# Altium PCB MiniPC.PcbDoc (part 11 of 22) (continued)
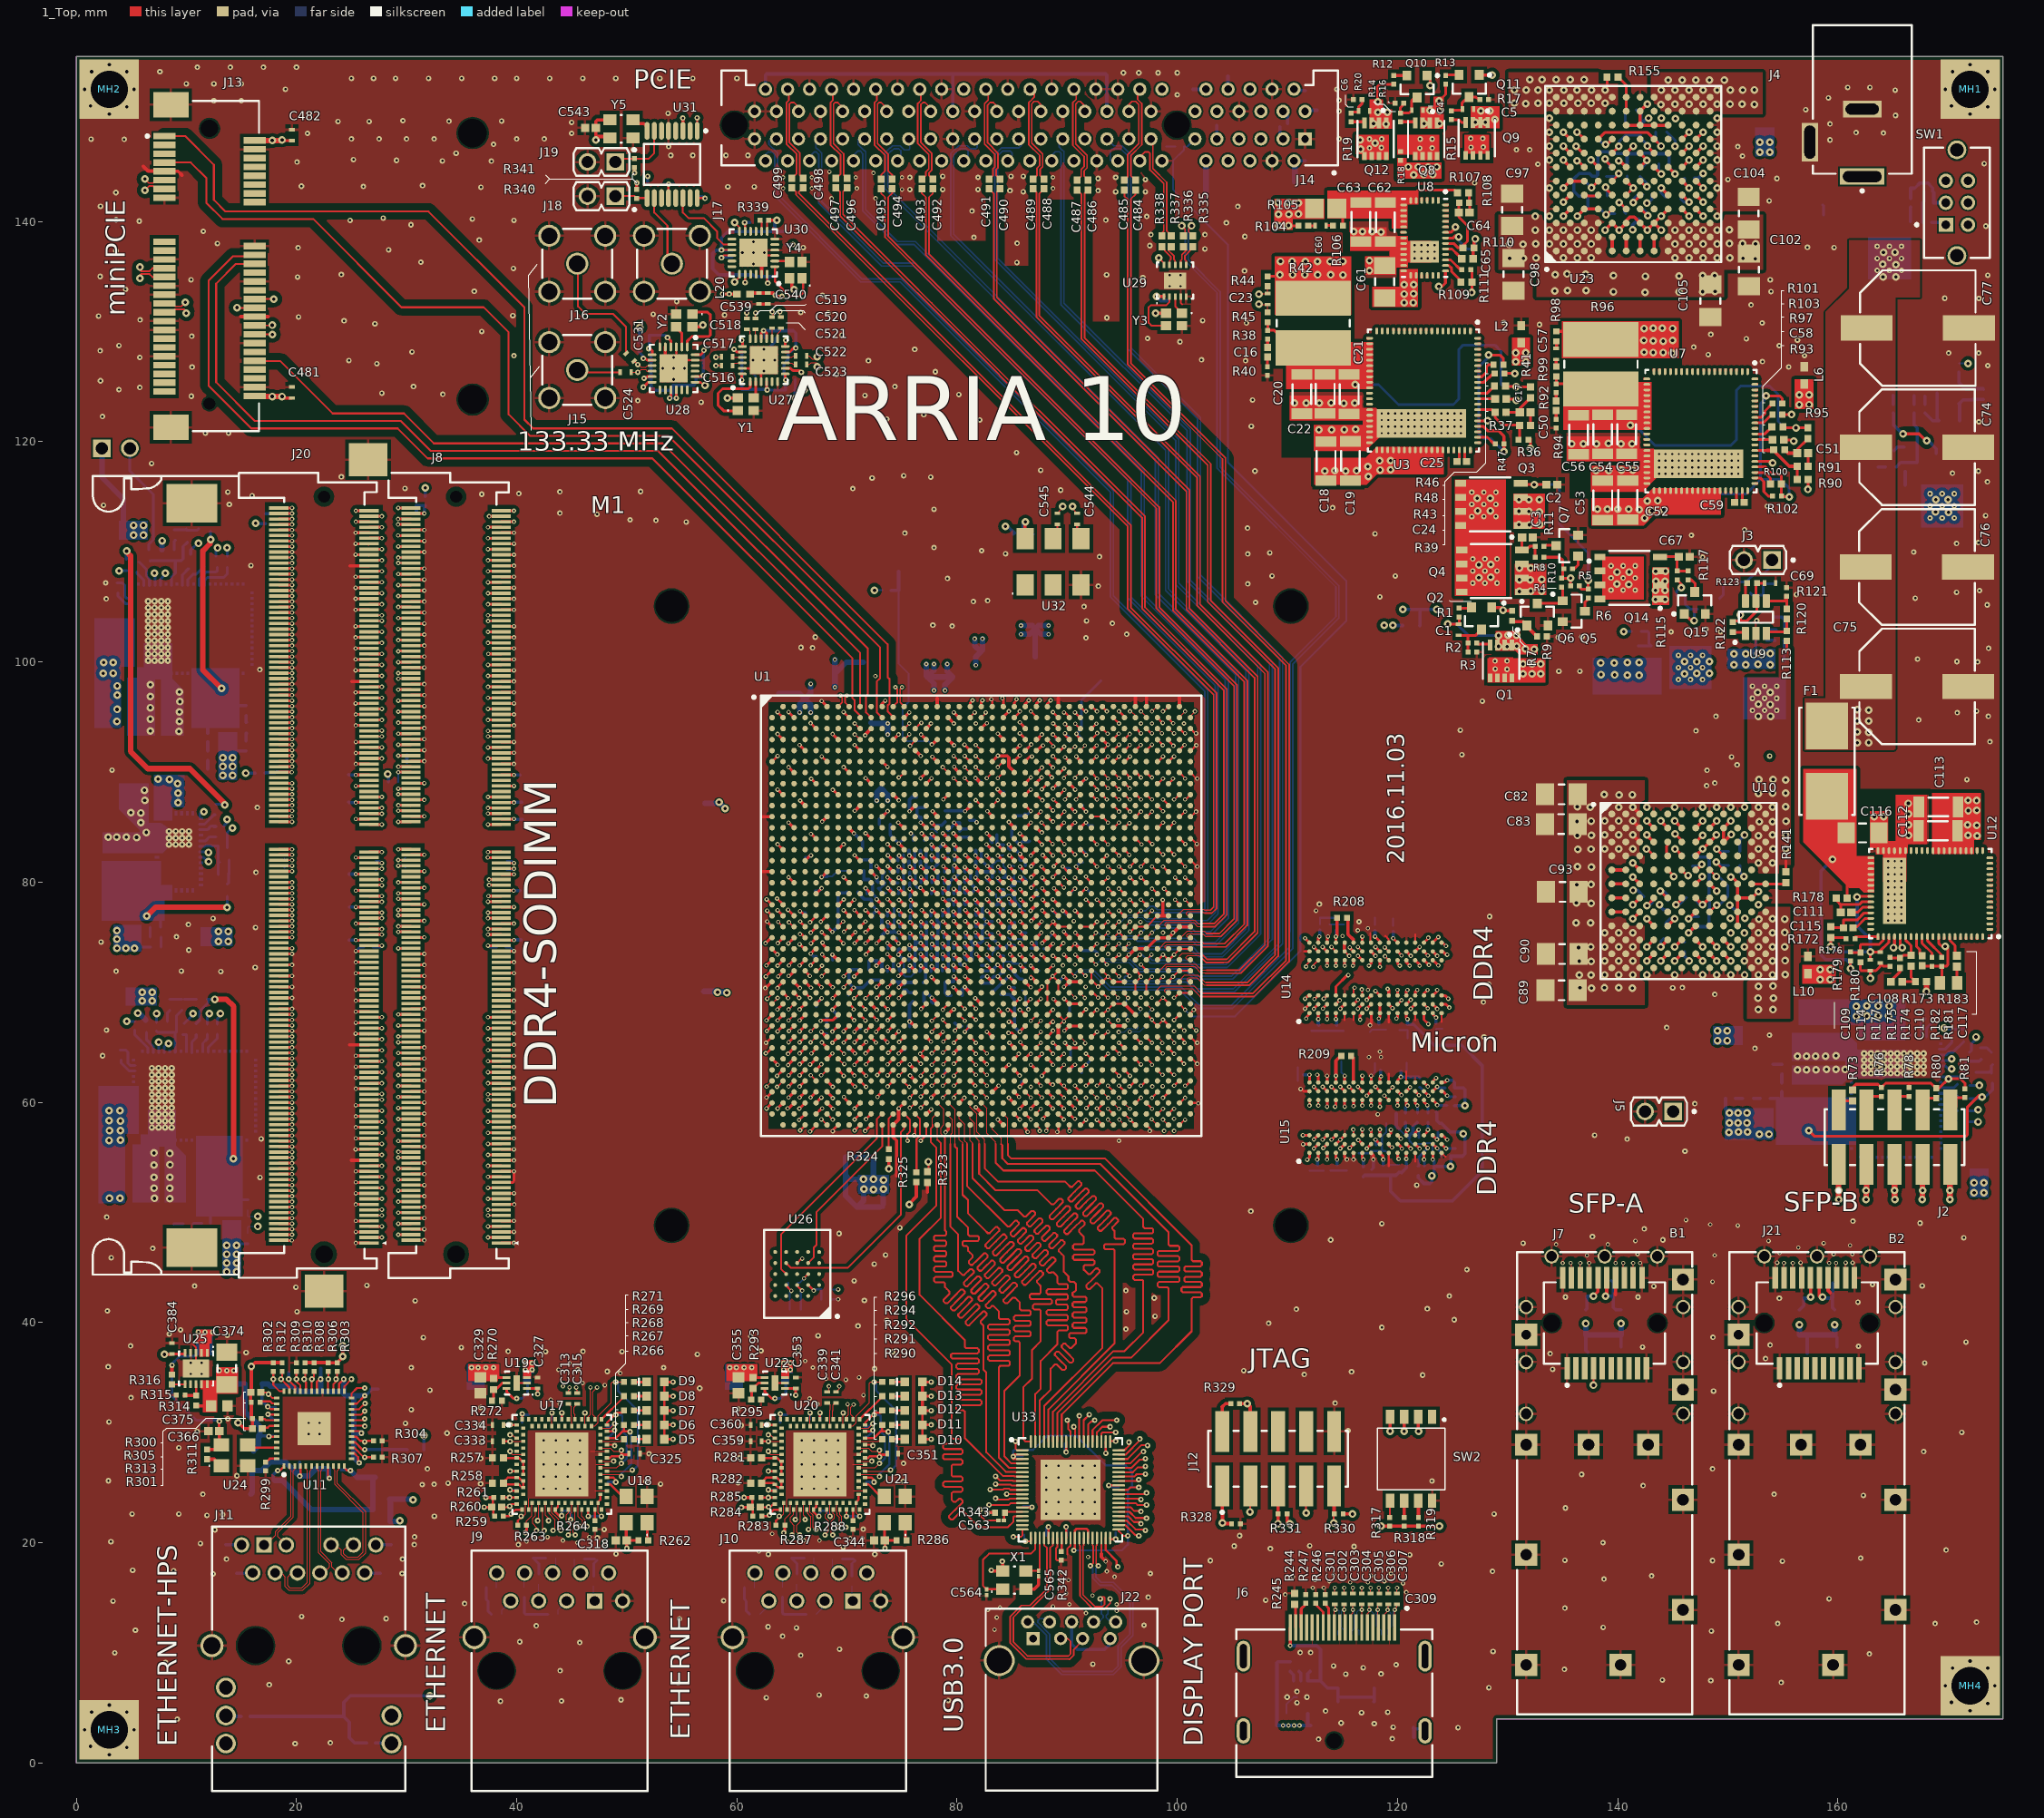
[diagram p0: 1_Top view]
## Nets (pads, with @x,y where several pads share a name; then routed paths per layer and width w, separated by ;. In a path a pad name is that pad's centre, name@x,y a point inside that pad or via, vN(x,y) a via of type N, cw(c..) or ccw(c..) an arc to the next point about the centre after c; other vN are vias at no path point) (continued)
  10_int9_(sign) w0.15: v1(19.602,60.475) 25.6,60.475 26.275,59.8 28.35,59.8 29.025,60.475 v1(29.25,60.475)
DDR4_SODIMM_DM3: J8.75 J20.75 U1.AJ9 | length 88.9
  1_Top w0.25: J20.75@26.6,65.725 v1(27.75,65.725) ; v1(37.398,65.725) J8.75@38.6,65.725 ; U1.AJ9@71.194,67.939 71.675,67.458 v1(71.675,67.425)
  5_int4_(sign) w0.15: v1(37.398,65.725) 37.825,65.725 38.8,64.75 40.55,64.75 42.8,62.5 42.8,62.05 43.813,61.037 44.25,61.037 44.4,61.187 44.4,61.337 44.55,61.487 44.85,61.487 45,61.337 45,59.811 45.15,59.661 45.45,59.661 45.6,59.811 45.6,61.337 45.75,61.487 46.05,61.487 46.2,61.337 46.2,59.811 46.35,59.661 46.65,59.661 46.8,59.811 46.8,61.337 46.95,61.487 47.25,61.487 47.4,61.337 47.4,59.811 47.55,59.661 47.85,59.661 48,59.811 48,61.337 48.15,61.487 48.45,61.487 48.6,61.337 48.6,59.811 48.75,59.661 49.05,59.661 49.2,59.811 49.2,61.337 49.35,61.487 49.65,61.487 49.8,61.337 49.8,59.811 49.95,59.661 50.25,59.661 50.4,59.811 50.4,61.337 50.55,61.487 50.85,61.487 51,61.337 51,59.811 51.15,59.661 51.45,59.661 51.6,59.811 51.6,61.337 51.75,61.487 52.05,61.487 52.2,61.337 52.2,59.811 52.35,59.661 52.65,59.661 52.8,59.811 52.8,61.337 52.95,61.487 53.25,61.487 53.4,61.337 53.4,59.811 53.55,59.661 53.85,59.661 54,59.811 54,61.337 54.15,61.487 54.45,61.487 54.6,61.337 54.6,59.811 54.75,59.661 55.05,59.661 55.2,59.811 55.2,60.887 55.35,61.037 55.65,61.037 55.8,60.887 55.8,59.811 55.861,59.75 56.339,59.75 56.4,59.811 56.4,61.337 56.55,61.487 56.85,61.487 57,61.337 57,59.811 57.061,59.75 57.539,59.75 57.6,59.811 57.6,60.887 57.75,61.037 58.495,61.037 58.8,61.342 58.8,62.925 59.675,63.8 59.675,64.529 61.011,65.865 69.865,65.865 70.3,66.3 70.3,66.555 71.17,67.425 v1(71.675,67.425)
  12_int11_(sign) w0.15: v1(27.75,65.725) 28.375,66.35 29.405,66.35 30.03,65.725 v1(37.398,65.725)
DDR4_SODIMM_DM4: J8.178 J20.178 U1.AD3 | length 86
  1_Top w0.25: J20.178@18.4,93.475 v1(19.602,93.475) ; v1(29.25,93.475) J8.178@30.4,93.475 ; v1(64.725,72.425) 64.725,72.47 U1.AD3@65.194,72.939
  7_int6_(sign) w0.15: v1(29.25,93.475) 30.25,94.475 32.387,94.475 32.575,94.663 32.575,95.488 32.762,95.675 33.137,95.675 33.325,95.488 33.325,93.463 33.512,93.275 33.887,93.275 34.075,93.463 34.075,95.488 34.262,95.675 34.637,95.675 34.825,95.488 34.825,93.463 35.012,93.275 35.387,93.275 35.575,93.463 35.575,94.288 35.762,94.475 36.5,94.475 36.675,94.65 36.675,95.875 37.025,96.225 38.05,96.225 38.435,96.61 40.234,96.61 41.787,95.057 48.575,88.269 48.575,85.362 48.763,85.175 49.585,85.175 49.772,84.987 49.772,84.612 49.585,84.425 48.763,84.425 48.575,84.237 48.575,83.862 48.763,83.675 49.585,83.675 49.772,83.487 49.772,83.112 49.585,82.925 48.763,82.925 48.575,82.737 48.575,82.362 48.763,82.175 49.585,82.175 49.772,81.987 49.772,81.612 49.585,81.425 48.763,81.425 48.575,81.237 48.575,80.862 48.763,80.675 49.585,80.675 49.772,80.487 49.772,80.112 49.585,79.925 48.763,79.925 48.575,79.737 48.575,79.362 48.763,79.175 49.585,79.175 49.772,78.987 49.772,78.612 49.585,78.425 48.763,78.425 48.575,78.237 48.575,77.3 49.15,76.725 52.35,76.725 55.825,73.25 58.325,73.25 58.8,72.775 59.475,72.775 60.315,71.935 64.235,71.935 v1(64.725,72.425)
  10_int9_(sign) w0.15: v1(19.602,93.475) 25.65,93.475 26.4,94.225 28.225,94.225 28.975,93.475 v1(29.25,93.475)
DDR4_SODIMM_DM5: J8.199 J20.199 U1.Y5 | length 89.6
  1_Top w0.25: J20.199@26.6,98.725 v1(27.75,98.725) ; v1(37.398,98.725) J8.199@38.6,98.725 ; v1(66.65,76.35) 67.194,76.894 U1.Y5@67.194,76.939
  5_int4_(sign) w0.15: v1(37.398,98.725) 37.875,98.725 38.05,98.9 38.05,99.115 38.15,99.215 38.61,99.215 38.8,99.025 38.8,98.825 38.9,98.725 41.792,98.725 42.747,97.77 42.959,97.77 43.808,98.619 44.02,98.619 44.232,98.407 44.232,98.195 43.383,97.346 43.383,97.134 43.596,96.922 43.808,96.922 44.656,97.77 44.868,97.77 45.081,97.558 45.081,97.346 44.232,96.498 44.232,96.285 44.444,96.073 44.656,96.073 45.505,96.922 45.717,96.922 45.929,96.71 45.929,96.498 45.081,95.649 45.081,95.437 45.293,95.225 45.505,95.225 46.353,96.073 46.565,96.073 46.778,95.861 46.778,95.649 45.929,94.801 45.929,94.588 46.141,94.376 46.353,94.376 47.202,95.225 47.414,95.225 47.626,95.013 47.626,94.801 46.672,93.846 46.495,93.669 46.495,93.457 46.707,93.245 46.919,93.245 47.096,93.422 48.05,94.376 48.263,94.376 48.475,94.164 48.475,93.952 47.626,93.104 47.626,92.891 47.9,92.617 47.9,91.607 47.693,91.4 47.693,91.1 47.843,90.95 50.263,90.95 50.413,90.8 50.413,90.5 50.263,90.35 47.88,90.35 47.73,90.2 47.73,89.9 47.88,89.75 50.263,89.75 50.413,89.6 50.413,89.3 50.263,89.15 48.05,89.15 47.9,89 47.9,88.55 48.2,88.25 51.05,88.25 51.575,87.725 51.575,86.6 51.85,86.325 52.875,86.325 54.675,84.525 54.675,83.95 54.35,83.625 54.35,83.325 55.211,82.464 55.211,82.31 55.482,82.039 55.636,82.039 56.237,82.64 56.449,82.64 56.661,82.428 56.661,82.216 56.166,81.721 56.166,81.509 56.5,81.175 57.234,81.175 58.8,81.175 59.511,80.464 59.511,80.285 59.757,80.039 59.936,80.039 60.537,80.64 60.749,80.64 60.961,80.428 60.961,80.216 60.36,79.615 60.36,79.436 60.605,79.191 60.784,79.191 61.385,79.792 61.597,79.792 61.809,79.58 61.809,79.368 61.208,78.767 61.094,78.652 61.094,78.44 61.306,78.228 61.518,78.228 61.527,78.236 61.739,78.236 61.975,78 64.669,78 65.035,77.634 65.035,77.407 65.551,76.891 66.184,76.891 66.65,76.425 v1(66.65,76.35)
  12_int11_(sign) w0.15: v1(27.75,98.725) 28.4,99.375 29.75,99.375 30.4,98.725 v1(37.398,98.725)
DDR4_SODIMM_DM6: J8.220 J20.220 U1.W1 | length 82.6
  1_Top w0.25: J20.220@18.4,103.975 v1(19.602,103.975) ; v1(29.25,103.975) J8.220@30.4,103.975 ; v1(62.7,78.425) 62.708,78.425 U1.W1@63.194,77.939
  7_int6_(sign) w0.15: v1(29.25,103.975) 32.8,103.975 35.6,106.775 37.8,106.775 38.2,107.175 44.775,107.175 44.925,107.175 45.075,107.325 45.075,107.515 45.225,107.665 45.525,107.665 45.675,107.515 45.675,107.175 45.675,106.885 45.825,106.735 46.125,106.735 46.275,106.885 46.275,107.175 46.275,107.515 46.425,107.665 46.725,107.665 46.875,107.515 46.875,107.175 46.875,106.885 47.025,106.735 47.325,106.735 47.475,106.885 47.475,107.175 47.475,107.515 47.625,107.665 47.925,107.665 48.075,107.515 48.075,107.175 48.075,106.885 48.225,106.735 48.525,106.735 48.675,106.885 48.675,107.175 48.675,107.515 48.825,107.665 49.125,107.665 49.275,107.515 49.275,107.325 49.425,107.175 49.875,107.175 50.075,107.175 50.113,107.213 51.425,108.525 56,108.525 60.725,103.8 60.725,98.5 60.725,98.075 60.575,97.925 59.809,97.925 59.659,97.775 59.659,97.475 59.809,97.325 60.725,97.325 60.875,97.175 60.875,96.875 60.725,96.725 60.43,96.725 60.28,96.575 60.28,96.275 60.43,96.125 60.575,96.125 60.725,95.975 60.725,95.825 60.725,89.525 61.3,88.95 61.3,82.75 62.112,81.937 62.112,79.012 v1(62.7,78.425)
  10_int9_(sign) w0.15: v1(19.602,103.975) 25.8,103.975 26.575,104.75 28.275,104.75 29.05,103.975 v1(29.25,103.975)
DDR4_SODIMM_DM7: J8.241 J20.241 U1.AA10 | length 91.2
  1_Top w0.25: J20.241@26.6,109.225 v1(27.75,109.225) ; v1(37.398,109.225) J8.241@38.6,109.225 ; v1(71.694,75.439) U1.AA10@72.194,75.939
  5_int4_(sign) w0.15: v1(37.398,109.225) 40.6,109.225 40.75,109.225 40.9,109.375 40.9,109.565 41.05,109.715 41.35,109.715 41.5,109.565 41.5,109.225 41.5,108.885 41.65,108.735 41.95,108.735 42.1,108.885 42.1,109.225 42.1,109.565 42.25,109.715 42.55,109.715 42.7,109.565 42.7,109.225 42.7,108.885 42.85,108.735 43.15,108.735 43.3,108.885 43.3,109.225 43.3,109.565 43.45,109.715 43.75,109.715 43.9,109.565 43.9,109.225 43.9,108.885 44.05,108.735 44.35,108.735 44.5,108.885 44.5,109.225 44.5,109.565 44.65,109.715 44.95,109.715 45.1,109.565 45.1,109.225 45.1,108.885 45.25,108.735 45.55,108.735 45.7,108.885 45.7,109.225 45.7,109.565 45.85,109.715 46.15,109.715 46.3,109.565 46.3,109.225 46.3,108.885 46.45,108.735 46.75,108.735 46.9,108.885 46.9,109.225 46.9,109.565 47.05,109.715 47.35,109.715 47.5,109.565 47.5,109.225 47.5,108.885 47.65,108.735 47.95,108.735 48.1,108.885 48.1,109.225 48.1,109.565 48.25,109.715 48.55,109.715 48.7,109.565 48.7,109.225 48.7,108.885 48.85,108.735 49.15,108.735 49.3,108.885 49.3,109.225 49.3,109.565 49.45,109.715 49.75,109.715 49.9,109.565 49.9,109.375 50.05,109.225 50.5,109.225 50.615,109.225 51.21,109.82 57.955,109.82 60.125,107.65 60.21,107.565 60.21,107.352 60.085,107.227 60.085,107.014 60.297,106.802 60.509,106.802 60.741,107.034 60.945,107.034 61.165,106.814 61.165,106.61 60.809,106.254 60.809,106.042 61.021,105.829 61.233,105.829 61.589,106.186 61.793,106.186 62.014,105.965 62.014,105.761 62.438,105.337 62.65,105.125 62.775,105 62.775,91.372 63.222,90.925 66.025,90.925 68,88.95 68,88.3 71.125,85.175 71.65,85.175 73.155,83.67 73.155,76.9 v1(71.694,75.439)
  12_int11_(sign) w0.15: v1(27.75,109.225) 28.4,109.875 29.7,109.875 30.35,109.225 v1(37.398,109.225)
DDR4_SODIMM_DQ0: J8.8 J20.8 U1.AM9 | length 81.4
  1_Top w0.25: J20.8@18.4,48.975 v1(19.602,48.975) ; v1(29.25,48.975) J8.8@30.4,48.975 ; U1.AM9@71.194,64.939 71.725,65.47 v1(71.725,65.475)
  7_int6_(sign) w0.15: v1(29.25,48.975) 29.3,48.925 29.325,48.925 29.325,49.046 32.1,46.271 32.1,44.9 34.175,42.825 34.175,41.5 37.23,38.445 57.955,38.445 59.715,40.205 59.715,41.588 69.888,51.761 69.888,53.962 72.354,56.427 72.354,64.85 71.729,65.475 v1(71.725,65.475)
  10_int9_(sign) w0.15: v1(19.602,48.975) 20.1,48.975 20.375,48.7 25.875,48.7 26.275,48.3 28.3,48.3 28.975,48.975 v1(29.25,48.975)
DDR4_SODIMM_DQ1: J8.7 J20.7 U1.AL8 | length 88.5
  1_Top w0.25: J20.7@26.6,48.725 v1(27.75,48.725) ; v1(37.398,48.725) J8.7@38.6,48.725 ; v1(69.7,65.425) 69.7,65.445 U1.AL8@70.194,65.939 U1.AL8@70.089,65.939
  7_int6_(sign) w0.15: v1@37.423,48.75 v1(37.398,48.725) 37.675,48.725 37.875,48.525 37.875,48.025 38.025,47.875 38.9,47.875 39.175,47.6 39.175,47.325 39,47.15 38.225,47.15 38.05,46.975 38.05,46.625 38.225,46.45 39.623,46.45 39.823,46.25 39.823,45.9 39.973,45.75 40.184,45.75 40.334,45.6 40.334,45.3 40.184,45.15 38.066,45.15 37.916,45 37.916,44.7 38.066,44.55 40.184,44.55 40.334,44.4 40.334,44.1 40.184,43.95 38.066,43.95 38.025,43.909 38.025,43.391 38.066,43.35 40.169,43.35 40.319,43.2 40.319,42.9 40.169,42.75 38.066,42.75 38.025,42.709 38.025,42.191 38.066,42.15 39.673,42.15 39.823,42 39.823,40.552 40.4,39.975 57.322,39.975 58.05,40.703 58.05,42.575 66.44,50.965 66.44,54.39 70.114,58.064 70.849,58.064 71.1,58.315 71.1,63.825 70.875,64.05 70.57,64.05 70.35,64.27 70.35,64.42 69.7,65.07 v1(69.7,65.425)
  12_int11_(sign) w0.15: v1(27.75,48.725) 27.975,48.5 30.4,48.5 30.9,49 32,49 32.275,48.725 v1(37.398,48.725)
DDR4_SODIMM_DQ2: J8.20 J20.20 U1.AM6 | length 87
  1_Top w0.25: J20.20@18.4,51.975 v1(19.602,51.975) ; v1(29.25,51.975) J8.20@30.4,51.975 ; v1(67.719,65.431) 68.194,64.956 U1.AM6@68.194,64.939
  7_int6_(sign) w0.15: v1(29.25,51.975) 29.275,52 29.725,52 29.875,52.15 29.875,53.85 30.025,54 30.325,54 30.475,53.85 30.475,53.525 30.625,53.375 31.05,53.375 31.2,53.225 31.2,52.7 31.025,52.525 30.6,52.525 30.475,52.4 30.475,51.825 30.675,51.625 31.1,51.625 31.475,52 32.225,52 32.375,52.15 32.375,53.15 32.525,53.3 32.825,53.3 32.975,53.15 32.975,51.4 33.125,51.25 33.425,51.25 33.575,51.4 33.575,53.15 33.725,53.3 34.025,53.3 34.175,53.15 34.175,51.4 34.325,51.25 34.625,51.25 34.825,51.45 34.825,53.125 35,53.3 35.275,53.3 35.45,53.125 35.45,51.425 35.6,51.275 35.95,51.275 36.1,51.425 36.1,53.525 36.275,53.7 37.875,53.7 38.225,53.35 39.775,53.35 40.3,52.825 40.3,52.725 44.75,48.275 50.946,48.275 52.721,46.5 55.4,46.5 58.3,49.4 59.498,49.4 63.35,53.252 63.35,57.55 63.95,58.15 63.95,58.525 64.25,58.825 64.625,58.825 65.175,59.375 65.175,59.575 65.55,59.95 65.925,59.95 66.175,59.7 66.475,59.7 66.725,59.95 66.85,59.95 67.175,60.275 67.175,60.625 67.375,60.825 67.375,61.125 67.612,61.362 67.913,61.362 68.05,61.5 68.05,63.875 67.75,64.175 67.75,64.6 68.05,64.9 68.05,65.1 v1(67.719,65.431)
  10_int9_(sign) w0.15: v1(19.602,51.975) 23.425,51.975 24.175,51.225 25.75,51.225 26.275,51.75 27.975,51.75 28.2,51.975 v1(29.25,51.975)
DDR4_SODIMM_DQ3: J8.21 J20.21 U1.AL7 | length 88.1
  1_Top w0.25: J20.21@26.6,52.225 v1(27.75,52.225) ; v1(37.398,52.225) J8.21@38.6,52.225 ; v1(68.675,65.4) 69.194,65.919 U1.AL7@69.194,65.939
  7_int6_(sign) w0.15: v1@37.448,52.175 v1(37.398,52.225) 38.65,52.225 39.775,51.1 39.93,51.1 43.2,47.83 43.2,45.625 43.345,45.48 43.6,45.48 43.75,45.48 43.9,45.63 43.9,46.524 44.05,46.674 44.35,46.674 44.5,46.524 44.5,45.48 44.5,44.875 44.65,44.725 44.95,44.725 45.1,44.875 45.1,45.48 45.1,45.53 45.25,45.68 45.55,45.68 45.7,45.53 45.7,45.48 45.7,44.912 45.85,44.762 46.15,44.762 46.3,44.912 46.3,45.48 46.3,45.53 46.45,45.68 46.75,45.68 46.9,45.53 46.9,45.48 46.9,44.949 47.05,44.799 47.35,44.799 47.5,44.949 47.5,45.48 47.5,45.53 47.65,45.68 47.95,45.68 48.1,45.53 48.1,45.48 48.1,44.436 48.25,44.286 48.55,44.286 48.7,44.436 48.7,45.48 48.7,45.53 48.85,45.68 49.15,45.68 49.3,45.53 49.3,45.48 49.3,44.436 49.45,44.286 49.75,44.286 49.9,44.436 49.9,45.48 49.9,45.53 50.05,45.68 50.35,45.68 50.5,45.53 50.5,45.48 50.5,44.436 50.65,44.286 50.95,44.286 51.1,44.436 51.1,45.48 51.1,45.678 51.25,45.828 51.55,45.828 51.7,45.678 51.7,45.48 51.7,44.436 51.85,44.286 52.15,44.286 52.3,44.436 52.3,45.33 52.45,45.48 52.75,45.48 52.9,45.33 52.9,44.436 53.05,44.286 53.35,44.286 53.5,44.436 53.5,45.33 53.65,45.48 53.95,45.48 54.1,45.33 54.1,44.436 54.25,44.286 54.55,44.286 54.7,44.436 54.7,45.33 54.85,45.48 55.3,45.48 55.9,45.48 56.111,45.48 56.323,45.692 56.642,46.01 56.854,46.01 57.486,45.378 57.698,45.378 57.91,45.59 57.91,45.803 57.278,46.435 57.278,46.647 57.49,46.859 57.702,46.859 58.334,46.227 58.546,46.227 58.759,46.439 58.759,46.651 58.126,47.283 58.126,47.495 58.445,47.813 58.856,48.225 60.375,48.225 64.41,52.26 64.41,56.91 65.325,57.825 66.52,57.825 67.52,58.825 67.7,58.825 68.35,59.475 68.35,59.555 68.57,59.775 68.63,59.775 69.075,60.22 69.075,62.425 68.9,62.6 68.9,62.95 69.075,63.125 69.075,63.55 68.875,63.75 68.875,64.025 69.075,64.225 69.075,64.925 68.675,65.325 v1(68.675,65.4)
  12_int11_(sign) w0.15: v1(27.75,52.225) 28.375,51.6 31,51.6 31.375,51.975 31.925,51.975 32.175,52.225 v1(37.398,52.225)
DDR4_SODIMM_DQ4: J8.4 J20.4 U1.AK10 | length 88
  1_Top w0.25: J20.4@18.4,47.975 v1(19.602,47.975) ; v1(29.25,47.975) J8.4@30.4,47.975 ; v1(71.725,66.47) U1.AK10@72.194,66.939
  7_int6_(sign) w0.15: v1(29.25,47.975) 29.225,47.95 29.225,45.525 29.481,45.269 29.693,45.269 30.14,45.716 30.352,45.716 30.564,45.504 30.564,45.292 30.011,44.739 29.606,44.333 29.606,44.121 29.818,43.909 30.03,43.909 30.436,44.314 30.989,44.867 31.201,44.867 31.413,44.655 31.413,44.443 30.966,43.996 30.966,43.784 36.815,37.935 58.167,37.935 60.525,40.294 60.525,41.66 70.5,51.635 70.5,53.775 73.15,56.425 73.15,65.43 72.73,65.85 72.345,65.85 v1(71.725,66.47)
  10_int9_(sign) w0.15: v1(19.602,47.975) 20.275,47.975 20.6,47.65 26.05,47.65 26.6,47.1 28.35,47.1 29.225,47.975 v1(29.25,47.975)
DDR4_SODIMM_DQ5: J8.3 J20.3 U1.AK8 | length 88.7
  1_Top w0.25: J20.3@26.6,47.725 v1(27.75,47.725) ; v1(37.398,47.725) J8.3@38.6,47.725 ; v1(69.694,66.439) U1.AK8@70.194,66.939
  7_int6_(sign) w0.15: v1(37.398,47.725) 37.398,47.4 36.975,46.977 36.975,46.575 36.825,46.425 36.175,46.425 36.025,46.275 36.025,45.975 36.175,45.825 36.975,45.825 37.125,45.675 37.125,45.375 36.975,45.225 36.175,45.225 36.025,45.075 36.025,44.775 36.175,44.625 36.975,44.625 37.125,44.475 37.125,44.175 36.975,44.025 36.175,44.025 36.025,43.875 36.025,43.575 36.175,43.425 36.975,43.425 37.125,43.275 37.125,42.975 36.975,42.825 36.175,42.825 36.025,42.675 36.025,42.375 36.175,42.225 36.975,42.225 37.125,42.075 37.125,41.775 36.975,41.625 36.175,41.625 36.025,41.475 36.025,41.175 36.175,41.025 36.825,41.025 36.975,40.875 36.975,40.45 37.275,40.15 37.675,40.15 37.825,40.3 37.825,41.375 37.925,41.475 38.425,41.475 38.6,41.3 38.6,39.7 38.835,39.465 57.533,39.465 58.56,40.492 58.56,42.16 67.557,51.157 67.557,51.182 67.69,51.315 67.69,52.625 67.69,52.75 67.84,52.9 67.853,52.9 68.003,53.05 68.003,53.35 67.853,53.5 67.84,53.5 67.69,53.65 67.69,53.8 67.69,54.115 68.1,54.525 68.1,55.05 68.25,55.2 68.9,55.2 69.05,55.35 69.05,55.825 69.175,55.95 69.7,55.95 70,56.25 70,56.775 70.289,57.064 70.849,57.064 71.069,57.284 71.069,57.469 71.35,57.75 71.35,59.3 71.575,59.525 71.575,59.825 71.35,60.05 71.35,60.4 71.55,60.6 71.55,60.95 71.35,61.15 71.35,61.555 71.575,61.78 71.575,61.975 71.35,62.2 71.35,62.564 71.6,62.814 71.6,63 71.35,63.25 71.35,64.247 71.15,64.447 71.15,64.68 70.93,64.9 70.697,64.9 70.075,65.522 70.075,65.58 69.694,65.961 v1(69.694,66.439)
  12_int11_(sign) w0.15: v1(27.75,47.725) 28.075,47.4 30.1,47.4 30.65,47.95 36.675,47.95 36.9,47.725 v1(37.398,47.725)
DDR4_SODIMM_DQ6: J8.16 J20.16 U1.AN6 | length 87
  1_Top w0.25: J20.16@18.4,50.975 v1(19.602,50.975) ; v1(29.25,50.975) J8.16@30.4,50.975 ; U1.AN6@68.194,63.939 68.194,63.944 v1(68.675,64.425)
  7_int6_(sign) w0.15: v1(29.25,50.975) 29.275,51 29.775,51 29.975,50.8 29.975,50.425 30.15,50.25 30.575,50.25 30.725,50.4 30.725,50.85 30.875,51 32.175,51 32.375,50.8 32.375,49.85 32.5,49.725 33.05,49.725 33.2,49.875 33.2,50.5 33.3,50.6 33.8,50.6 33.925,50.475 33.925,49.85 34.075,49.7 34.525,49.7 34.625,49.8 34.625,50.5 34.725,50.6 35.225,50.6 35.35,50.475 35.35,49.85 35.475,49.725 36.3,49.725 36.45,49.875 36.45,50.725 36.825,51.1 36.825,52.525 37.025,52.725 39.38,52.725 40.125,51.98 40.125,51.725 44.395,47.455 45.45,47.455 45.6,47.305 45.6,46.305 45.75,46.155 46.05,46.155 46.2,46.305 46.2,47.305 46.35,47.455 46.65,47.455 46.8,47.305 46.8,46.305 46.95,46.155 47.25,46.155 47.4,46.305 47.4,47.525 47.5,47.625 47.925,47.625 48,47.55 48,46.305 48.15,46.155 48.45,46.155 48.6,46.305 48.6,47.575 48.7,47.675 49.05,47.675 49.2,47.525 49.2,46.305 49.35,46.155 49.65,46.155 49.8,46.305 49.8,47.525 49.875,47.6 50.3,47.6 50.4,47.5 50.4,46.305 50.55,46.155 50.85,46.155 51.11,46.415 52.085,46.415 52.51,45.99 55.9,45.99 58.65,48.74 59.715,48.74 63.9,52.925 63.9,57.225 65.445,58.77 66.23,58.77 66.25,58.75 66.52,58.75 67.595,59.825 67.605,59.825 68.325,60.545 68.325,61.85 68.55,62.075 68.55,62.375 68.325,62.6 68.325,62.875 68.575,63.125 68.575,63.475 68.325,63.725 68.325,64.025 68.675,64.375 v1(68.675,64.425)
  10_int9_(sign) w0.15: v1(19.602,50.975) 23.425,50.975 24.1,50.3 25.875,50.3 26.325,50.75 28.6,50.75 28.825,50.975 v1(29.25,50.975)
DDR4_SODIMM_DQ7: J8.17 J20.17 U1.AK7 | length 88.2
  1_Top w0.25: J20.17@26.6,51.225 v1(27.75,51.225) ; v1(37.398,51.225) J8.17@38.6,51.225 ; v1(68.675,66.425) 69.189,66.939 U1.AK7@69.194,66.939
  7_int6_(sign) w0.15: v1(37.398,51.225) 38.05,51.225 39.425,49.85 40.385,49.85 42.675,47.56 42.675,43.4 42.95,43.125 43.275,43.125 43.575,43.125 44.025,43.125 44.175,42.975 44.175,42.075 44.325,41.925 44.625,41.925 44.775,42.075 44.775,43.125 44.775,44.065 44.925,44.215 45.225,44.215 45.375,44.065 45.375,43.125 45.375,42.075 45.525,41.925 45.825,41.925 45.975,42.075 45.975,43.125 45.975,44.102 46.125,44.252 46.425,44.252 46.575,44.102 46.575,43.125 46.575,42.075 46.725,41.925 47.025,41.925 47.175,42.075 47.175,43.125 47.175,44.04 47.325,44.19 47.625,44.19 47.775,44.04 47.775,43.125 47.775,42.075 47.925,41.925 48.225,41.925 48.375,42.075 48.375,43.125 48.375,43.626 48.525,43.776 48.825,43.776 48.975,43.626 48.975,43.125 48.975,42.946 49.125,42.796 49.425,42.796 49.575,42.946 49.575,43.125 49.575,43.626 49.725,43.776 50.025,43.776 50.175,43.626 50.175,43.125 50.175,43.09 50.325,42.94 50.625,42.94 50.775,43.09 50.775,43.125 50.775,43.626 50.925,43.776 51.225,43.776 51.375,43.626 51.375,43.125 51.525,42.975 51.825,42.975 51.975,43.125 51.975,43.626 52.125,43.776 52.425,43.776 52.575,43.626 52.575,43.125 52.575,43.078 52.725,42.928 53.025,42.928 53.175,43.078 53.222,43.125 56.25,43.125 64.92,51.795 64.92,55.545 66.35,56.975 66.805,56.975 67.025,57.195 67.025,57.28 67.82,58.075 67.83,58.075 68.05,58.295 68.05,58.305 68.545,58.8 68.8,58.8 69.325,59.325 69.325,60.65 69.525,60.85 69.525,61.025 69.325,61.225 69.325,61.475 69.55,61.7 69.55,61.95 69.325,62.175 69.325,62.575 69.575,62.825 69.575,63.075 69.325,63.325 69.325,65.28 68.675,65.93 v1(68.675,66.425)
  12_int11_(sign) w0.15: v1(27.75,51.225) 28.375,50.6 29.7,50.6 30.075,50.975 32.15,50.975 32.4,51.225 v1(37.398,51.225)
DDR4_SODIMM_DQ8: J8.28 J20.28 U1.AU6 | length 83.2
  1_Top w0.25: J20.28@18.4,53.975 v1(19.602,53.975) ; v1(29.25,53.975) J8.28@30.4,53.975 ; U1.AU6@68.194,59.939 68.194,59.931 v1(68.725,59.4)
  5_int4_(sign) w0.15: v1(29.25,53.975) 29.3,53.975 30.3,52.975 32.25,52.975 32.625,52.6 35.6,52.6 35.975,52.225 35.975,52.025 35.825,51.875 34.739,51.875 34.589,51.725 34.589,51.425 34.739,51.275 35.975,51.275 36.125,51.125 36.125,50.825 35.975,50.675 34.739,50.675 34.589,50.525 34.589,50.225 34.739,50.075 35.825,50.075 35.975,49.925 35.975,49.775 35.975,48.618 37.034,47.559 37.034,41.816 38.375,40.475 49.775,40.475 50.025,40.475 50.1,40.4 50.55,40.4 50.625,40.475 50.625,41.29 50.775,41.44 51.075,41.44 51.225,41.29 51.225,40.475 51.3,40.4 51.75,40.4 51.825,40.475 51.825,41.29 51.975,41.44 52.275,41.44 52.425,41.29 52.425,40.625 52.575,40.475 53.025,40.475 53.325,40.475 53.475,40.475 60.325,47.325 60.325,47.925 69.458,57.058 69.458,58.734 68.793,59.4 v1(68.725,59.4)
  10_int9_(sign) w0.15: v1(19.602,53.975) 23.45,53.975 24.175,53.25 25.85,53.25 26.325,53.725 28.975,53.725 29.225,53.975 v1(29.25,53.975)
DDR4_SODIMM_DQ9: J8.29 J20.29 U1.AW5 | length 80.9
  1_Top w0.25: J20.29@26.6,54.225 v1(27.75,54.225) ; v1(37.398,54.225) J8.29@38.6,54.225 ; v1(66.65,57.35) 67.194,57.894 U1.AW5@67.194,57.939
  5_int4_(sign) w0.15: v1(37.398,54.225) 38.15,53.473 38.15,48.875 38.612,48.413 38.612,43.838 39.15,43.3 39.5,43.3 39.65,43.3 39.8,43.45 39.8,44.296 39.95,44.446 40.25,44.446 40.4,44.296 40.4,43.3 40.4,42.664 40.55,42.514 40.85,42.514 41,42.664 41,43.3 41.109,43.409 41.491,43.409 41.6,43.3 41.6,42.664 41.75,42.514 42.05,42.514 42.2,42.664 42.2,43.3 42.309,43.409 42.691,43.409 42.8,43.3 42.8,42.664 42.95,42.514 43.25,42.514 43.4,42.664 43.4,43.3 43.509,43.409 43.891,43.409 44,43.3 44,42.664 44.15,42.514 44.45,42.514 44.6,42.664 44.6,43.3 44.709,43.409 45.091,43.409 45.2,43.3 45.2,42.664 45.35,42.514 45.65,42.514 45.8,42.664 45.8,43.3 45.909,43.409 46.291,43.409 46.4,43.3 46.4,42.664 46.55,42.514 46.85,42.514 47,42.664 47,43.3 47.109,43.409 47.491,43.409 47.6,43.3 47.6,42.664 47.75,42.514 48.05,42.514 48.2,42.664 48.2,43.3 48.309,43.409 48.691,43.409 48.8,43.3 48.8,42.664 48.95,42.514 49.25,42.514 49.4,42.664 49.4,43.3 49.509,43.409 49.891,43.409 50,43.3 50,42.664 50.15,42.514 50.45,42.514 50.6,42.664 50.6,43.3 50.709,43.409 51.091,43.409 51.2,43.3 51.2,42.664 51.35,42.514 51.65,42.514 51.8,42.664 51.8,43.3 51.8,43.829 51.95,43.979 52.25,43.979 52.4,43.829 52.4,43.3 52.4,42.664 52.55,42.514 52.85,42.514 53,42.664 53,43.3 53,44.296 53.15,44.446 53.45,44.446 53.6,44.296 53.6,43.45 53.75,43.3 53.8,43.3 54.664,43.3 58.722,47.359 58.722,48.426 66.65,56.354 v1(66.65,57.35)
  12_int11_(sign) w0.15: v1(27.75,54.225) 28.375,53.6 29.6,53.6 29.975,53.975 32.025,53.975 32.275,54.225 v1(37.398,54.225)
DDR4_SODIMM_DQ10: J8.41 J20.41 U1.AU4 | length 81.3
  1_Top w0.25: J20.41@26.6,57.225 v1(27.75,57.225) ; v1(37.398,57.225) J8.41@38.6,57.225 ; v1(65.675,59.425) 65.68,59.425 U1.AU4@66.194,59.939
  5_int4_(sign) w0.15: v1(37.398,57.225) 39.348,55.275 39.975,55.275 40.75,54.5 40.75,52.4 40.75,52.15 40.75,52 40.9,51.85 41.793,51.85 41.943,51.7 41.943,51.4 41.793,51.25 40.9,51.25 40.75,51.1 40.75,50.775 40.75,49.725 41.325,49.15 41.575,49.15 41.725,49.15 41.875,49.3 41.875,49.479 42.025,49.629 42.325,49.629 42.475,49.479 42.475,49.15 42.475,48.04 42.625,47.89 42.925,47.89 43.075,48.04 43.075,49.15 43.2,49.275 43.55,49.275 43.675,49.15 43.675,47.9 43.825,47.75 44.125,47.75 44.275,47.9 44.275,49.15 44.275,49.233 44.425,49.383 44.725,49.383 44.875,49.233 44.875,49.15 44.875,47.9 45.025,47.75 45.325,47.75 45.475,47.9 45.475,49.15 45.6,49.275 45.95,49.275 46.075,49.15 46.075,47.9 46.225,47.75 46.525,47.75 46.675,47.9 46.675,49.15 46.8,49.275 47.15,49.275 47.275,49.15 47.275,47.9 47.425,47.75 47.725,47.75 47.875,47.9 47.875,49.15 48,49.275 48.35,49.275 48.475,49.15 48.475,47.9 48.625,47.75 48.925,47.75 49.075,47.9 49.075,49.15 49.2,49.275 49.55,49.275 49.675,49.15 49.675,47.9 49.825,47.75 50.125,47.75 50.275,47.9 50.275,49 50.425,49.15 50.875,49.15 51.1,49.15 51.375,48.875 51.375,47.825 51.375,47.175 52.475,46.075 55.275,46.075 56.975,47.775 56.975,50.425 57.362,50.812 57.542,50.992 57.542,51.058 57.542,51.27 57.754,51.482 57.966,51.482 57.999,51.449 58.246,51.201 58.459,51.201 58.671,51.414 58.671,51.626 58.423,51.873 58.39,51.906 58.39,52.118 58.602,52.33 58.815,52.33 58.847,52.297 59.095,52.05 59.307,52.05 59.519,52.262 59.519,52.474 59.272,52.722 59.239,52.755 59.239,52.967 59.451,53.179 59.663,53.179 59.729,53.179 60.1,53.55 61.037,54.487 61.25,54.7 61.568,55.018 61.78,55.018 61.806,54.992 62.018,54.992 62.23,55.204 62.23,55.416 62.204,55.442 62.204,55.654 62.412,55.862 65.7,59.15 65.7,59.4 v1(65.675,59.425)
  12_int11_(sign) w0.15: v1(27.75,57.225) 27.875,57.1 29.4,57.1 29.9,56.6 31.975,56.6 32.6,57.225 v1(37.398,57.225)
DDR4_SODIMM_DQ11: J8.42 J20.42 U1.AT5 | length 83.3
  1_Top w0.25: J20.42@18.4,57.475 v1(19.602,57.475) ; v1(29.25,57.475) J8.42@30.4,57.475 ; v1(66.694,60.439) U1.AT5@67.194,60.939
  5_int4_(sign) w0.15: v1(29.25,57.475) 29.625,57.475 29.775,57.625 29.775,59.8 29.925,59.95 30.325,59.95 30.525,59.75 30.525,57.75 30.75,57.525 30.975,57.525 31.2,57.75 31.2,59.275 31.425,59.5 31.825,59.5 32.025,59.7 32.2,59.7 32.375,59.525 32.375,57.725 32.575,57.525 32.875,57.525 33.05,57.7 33.05,59.575 33.175,59.7 33.775,59.7 33.875,59.6 33.875,57.925 34.025,57.775 34.525,57.775 34.7,57.95 34.7,59.55 34.85,59.7 38.175,59.7 39.675,58.2 40.45,58.2 42.69,55.96 42.69,53.96 43.025,53.625 43.95,53.625 44.1,53.475 44.1,52.603 44.25,52.453 44.55,52.453 44.7,52.603 44.7,53.625 44.8,53.725 45.2,53.725 45.3,53.625 45.3,52.603 45.45,52.453 45.75,52.453 45.9,52.603 45.9,53.625 46,53.725 46.4,53.725 46.5,53.625 46.5,52.603 46.65,52.453 46.95,52.453 47.1,52.603 47.1,53.625 47.2,53.725 47.6,53.725 47.7,53.625 47.7,52.603 47.85,52.453 48.15,52.453 48.3,52.603 48.3,53.625 48.4,53.725 48.8,53.725 48.9,53.625 48.9,52.603 49.05,52.453 49.35,52.453 49.5,52.603 49.5,53.475 49.65,53.625 56.375,53.625 62.2,59.45 62.2,60.639 62.5,60.939 66.511,60.939 66.694,60.756 v1(66.694,60.439)
  10_int9_(sign) w0.15: v1(19.602,57.475) 20.6,57.475 20.85,57.225 25.925,57.225 26.4,56.75 28.4,56.75 29.125,57.475 v1(29.25,57.475)
DDR4_SODIMM_DQ12: J8.24 J20.24 U1.AR6 | length 85.3
  1_Top w0.25: J20.24@18.4,52.975 v1(19.602,52.975) ; v1(29.25,52.975) J8.24@30.4,52.975 ; U1.AR6@68.194,61.939 68.194,61.931 68.7,61.425 v1(68.7,61.4)
  5_int4_(sign) w0.15: v1(29.25,52.975) 29.95,52.275 30.7,52.275 31,51.975 32.775,51.975 33.112,51.637 33.112,51.4 33.112,50.962 32.962,50.812 32.425,50.812 32.275,50.662 32.275,50.362 32.425,50.212 33.112,50.212 33.775,50.212 33.925,50.062 33.925,49.762 33.775,49.612 33.112,49.612 32.425,49.612 32.275,49.462 32.275,49.163 32.425,49.013 32.962,49.013 33.112,48.863 33.112,48.713 33.775,48.05 35.3,48.05 36.25,47.1 36.25,43.9 36.25,43.724 36.374,43.6 36.524,43.45 36.524,43.15 36.374,43 36.25,43 34.702,43 34.552,42.85 34.552,42.55 34.702,42.4 36.1,42.4 36.25,42.25 36.25,41 36.25,40.875 37.235,39.89 53.611,39.89 61.062,47.341 61.062,47.813 70.2,56.95 70.2,59.475 69.585,60.09 69.58,60.09 68.7,60.97 v1(68.7,61.4)
  10_int9_(sign) w0.15: v1(19.602,52.975) 23.35,52.975 24.15,52.175 25.775,52.175 26.35,52.75 28.225,52.75 28.45,52.975 v1(29.25,52.975)